# Altium PCB CX3_Camera.PcbDoc
Units mil, origin at the board's own origin, x right, y up, seen from the top; angles counter-clockwise.
Board outline 1475 x 2465 mil, 6 copper layers (Top Layer, L2 (3V3), L3 (GND), L4 (SIG), L5 (GND), Bottom Layer), stack 48.468 mil thick; 122 components, 109 nets, 515 pads, 153 vias.
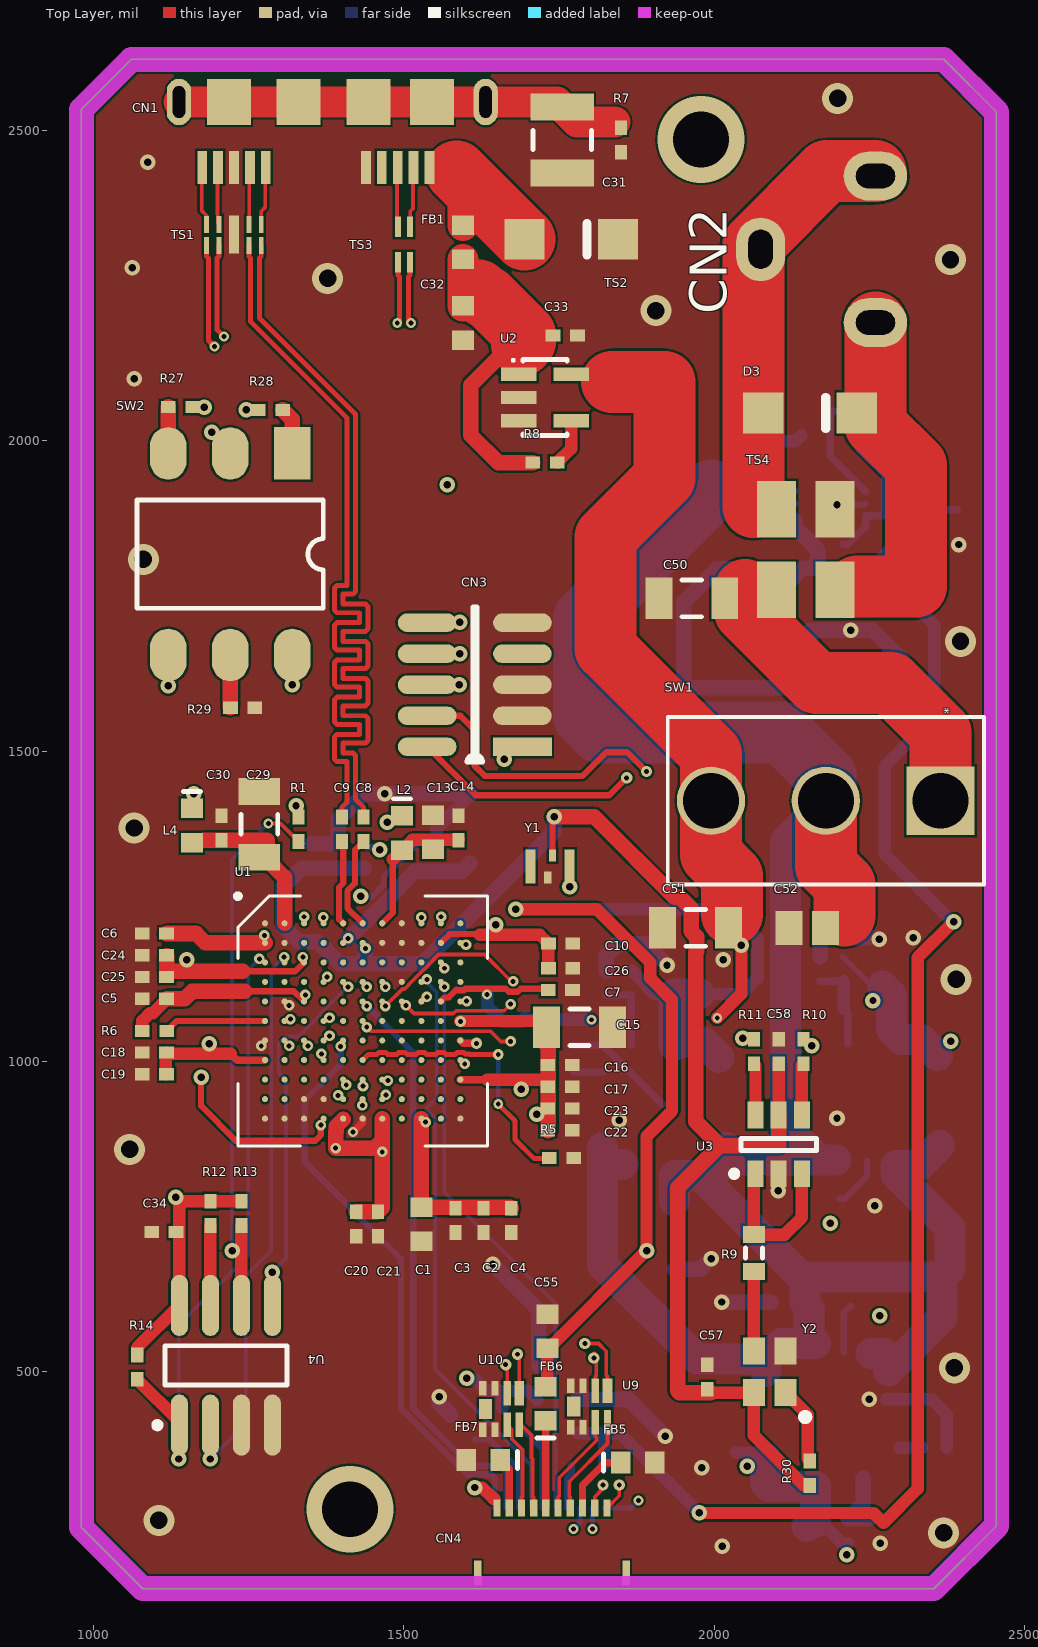
[diagram p0: Top Layer view]
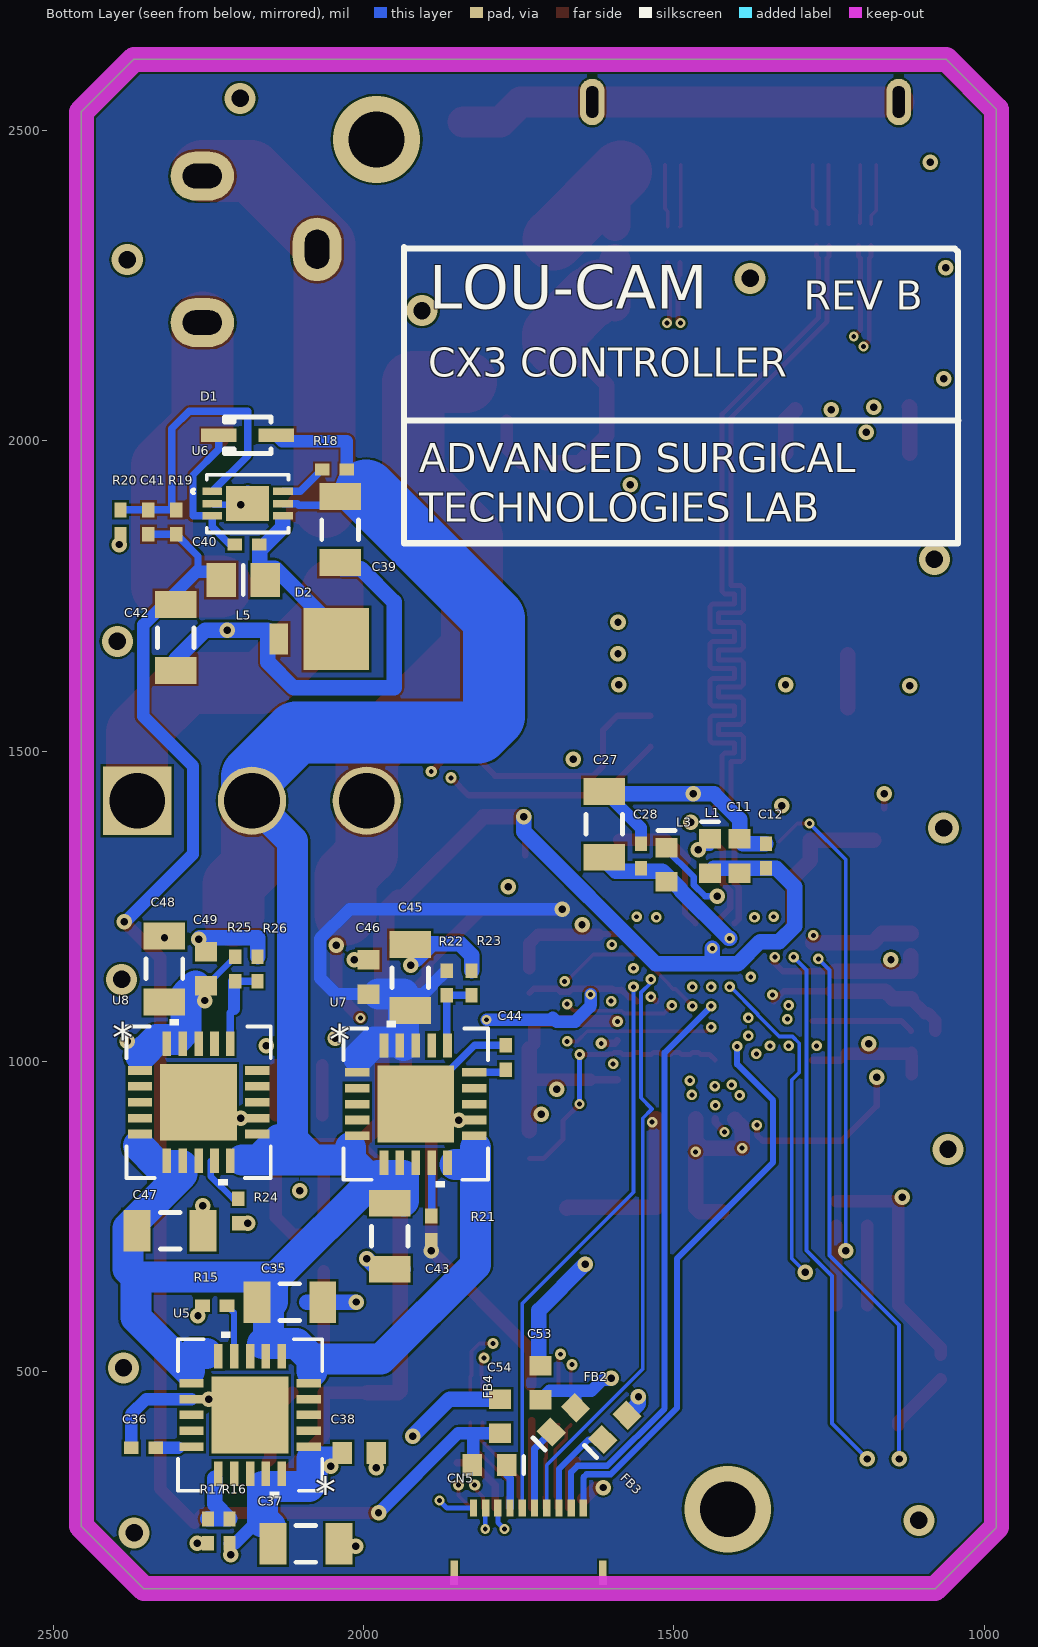
[diagram p1: Bottom Layer view, seen from below]
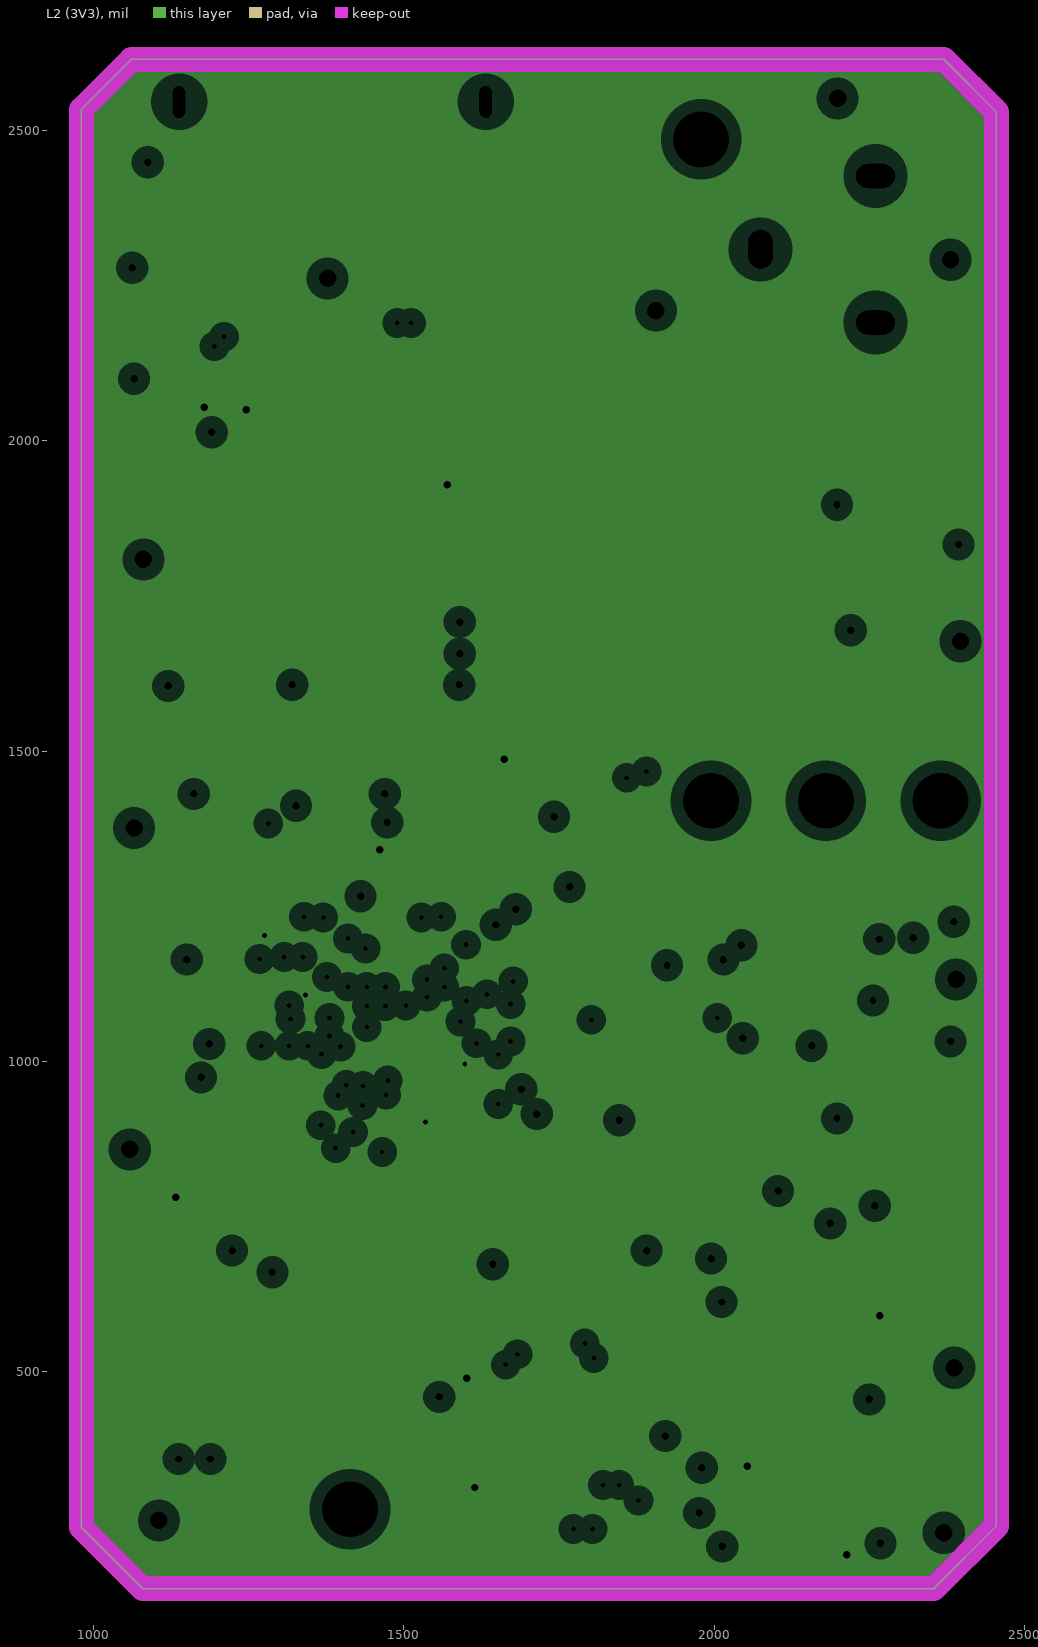
[diagram p2: L2 (3V3), clearances drawn from the general rule]
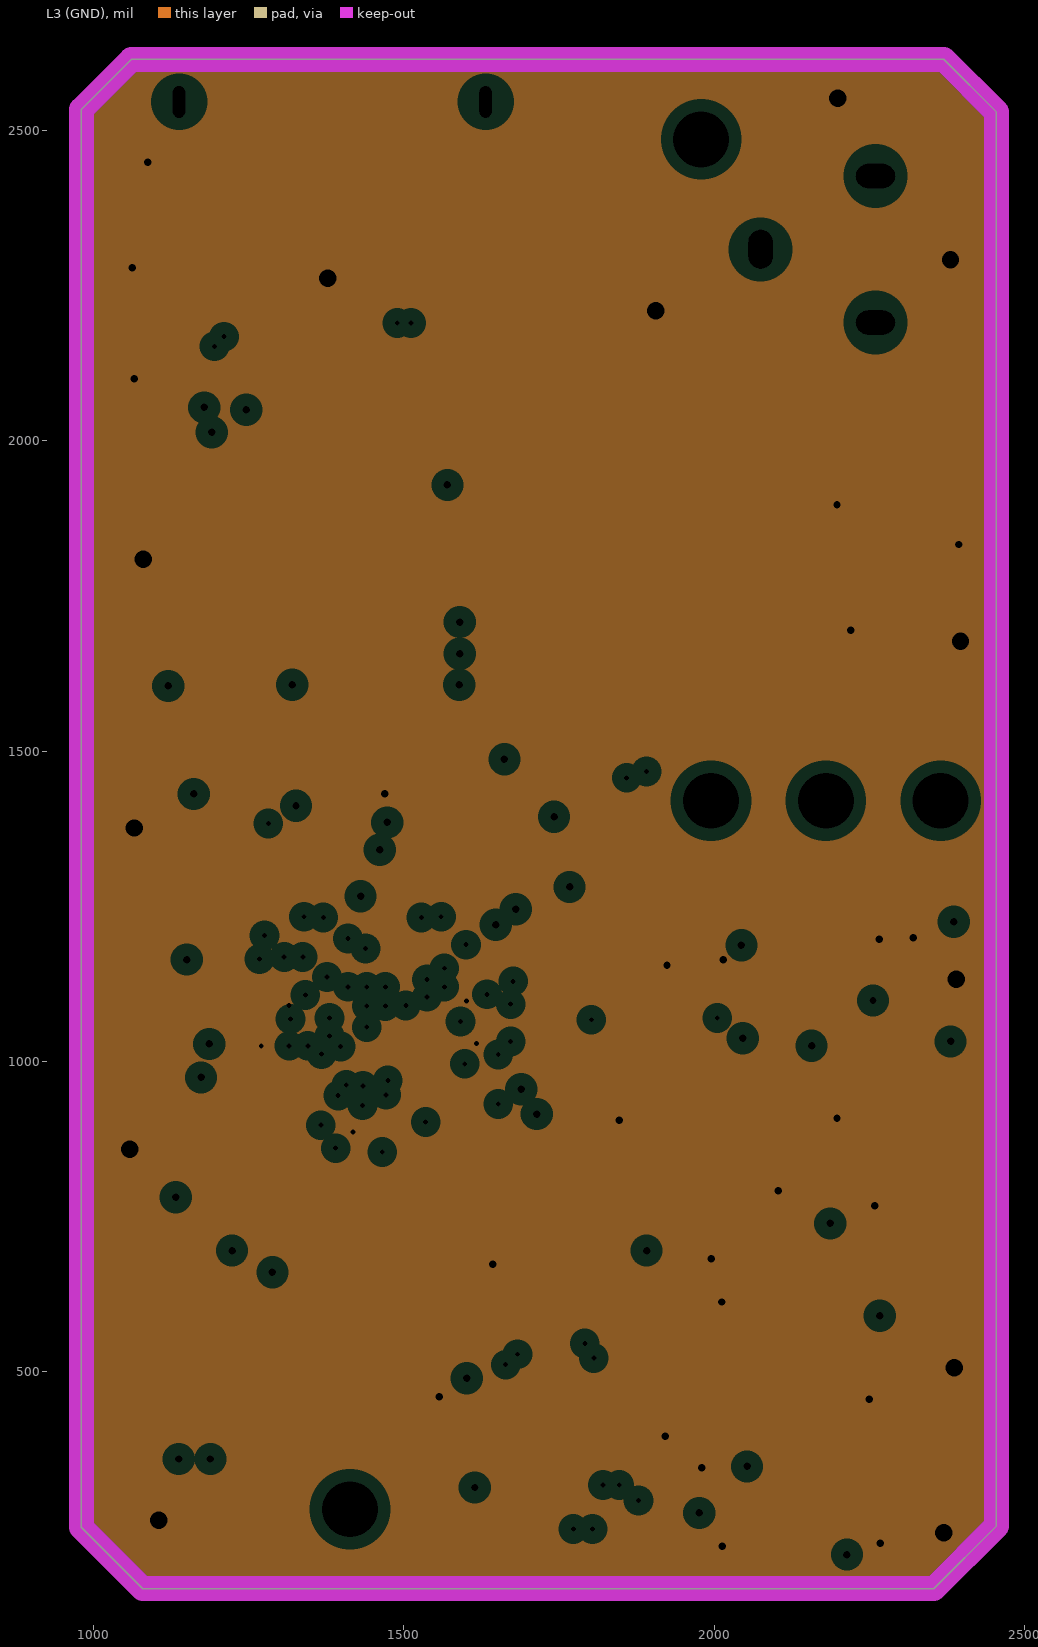
[diagram p3: L3 (GND), clearances drawn from the general rule]
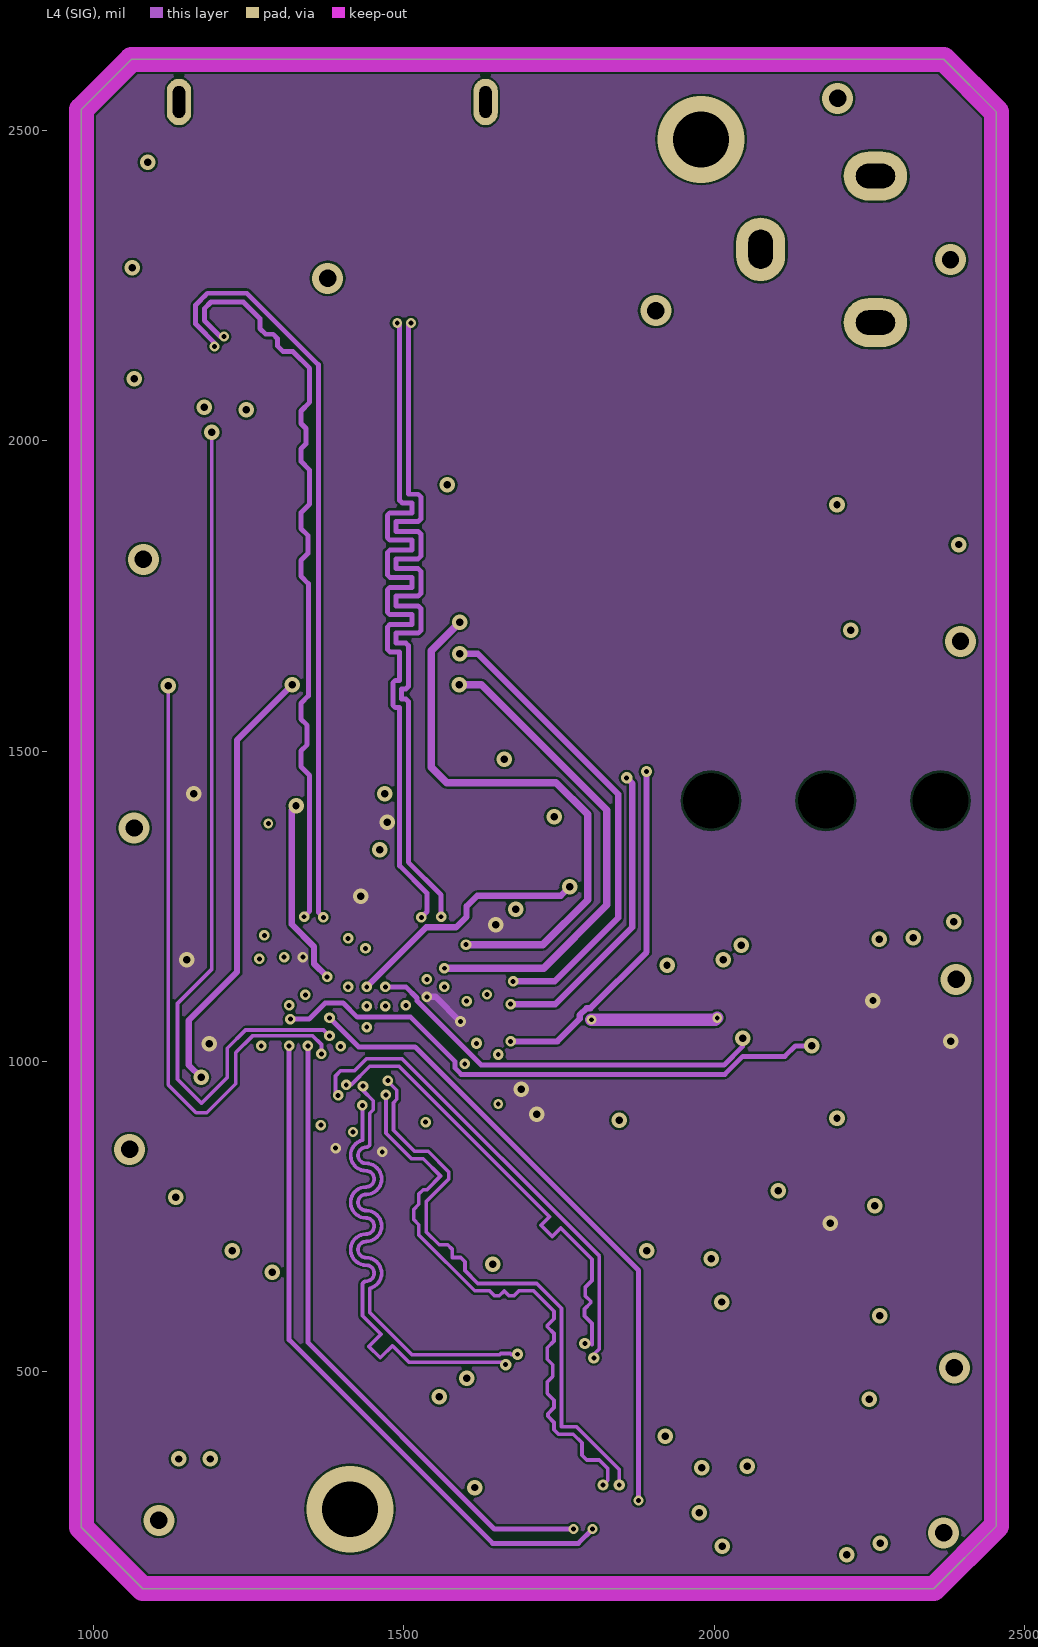
[diagram p4: L4 (SIG)]
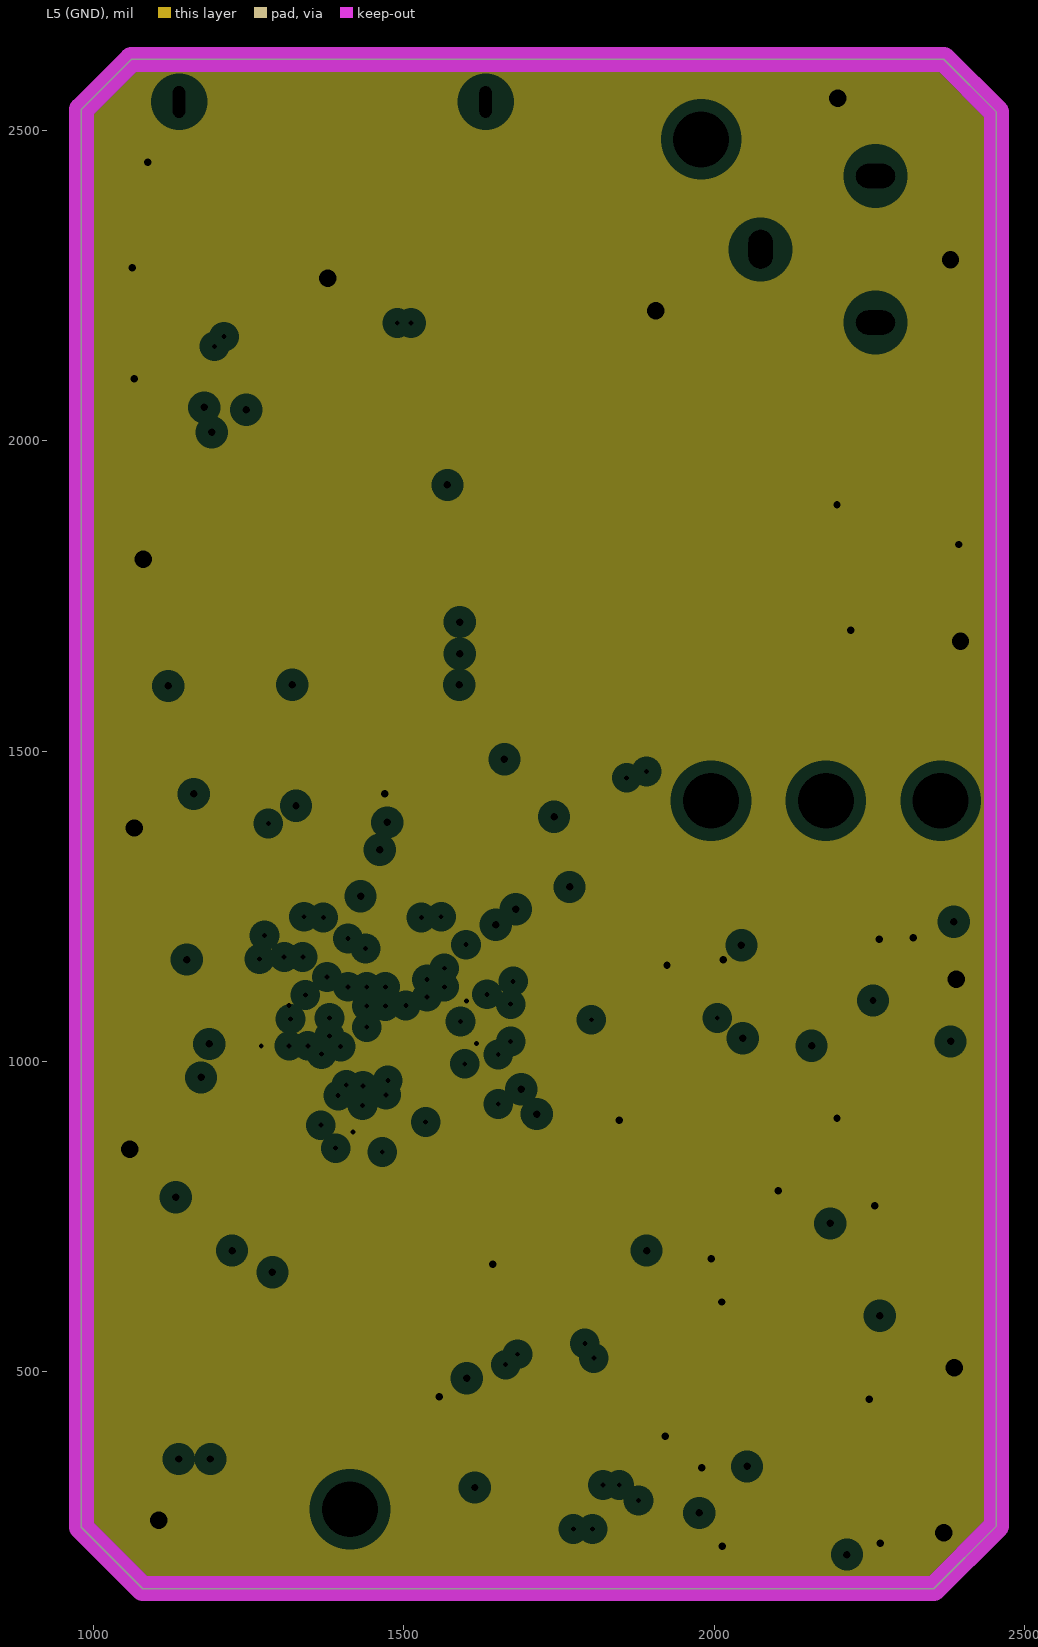
[diagram p5: L5 (GND), clearances drawn from the general rule]

## Layer stack, top to bottom
Top Solder: solder mask 0.4, Solder Resist, Dk 3.5
Top Layer: signal copper 1.4
Dielectric 1: core 10, FR-4, Dk 4.2
L2 (3V3): plane copper 1.417, net VCC_IO
Dielectric 5: prepreg 5, Dk 4.2
L3 (GND): plane copper 1.417, net GND
Dielectric 2: core 10, Dk 4.2
L4 (SIG): signal copper 1.417
Dielectric 3: core 10, Dk 4.2
L5 (GND): plane copper 1.417, net GND
Dielectric 6: prepreg 5, Dk 4.2
Bottom Layer: signal copper 1.4
Bottom Solder: solder mask 0.4, Solder Resist, Dk 3.5

## Board outline
980,249 980,2534 1061,2615 2370,2615 2455,2530 2455,251 2354,150 1079,150

## Design rules (kind name [scope] priority, off if disabled: settings)
Clearance [All] p1: gap=3.54
DiffPairsRouting [All] p1: maxlimit=10 minlimit=3.54 mostfreqgap=6 toplayer_minwidth=3.54 toplayer_maxwidth=15 toplayer_prefwidth=5 midlayer1_minwidth=3.54 midlayer1_maxwidth=15 midlayer1_prefwidth=5 bottomlayer_minwidth=3.54 bottomlayer_maxwidth=15 bottomlayer_prefwidth=5 maxuncoupledlength=500
MatchedLengths USB [InNetClass('USB')] p1: tolerance=10 checknetsindiffpair=FALSE checkdiffpairvsdiffpair=TRUE checkxsignals=TRUE checkothers=TRUE
MatchedLengths MIPI [InNetClass('MIPI')] p2: tolerance=10 checknetsindiffpair=TRUE checkdiffpairvsdiffpair=FALSE checkxsignals=FALSE checkothers=FALSE
PlaneClearance [All] p1: clearance=20
PlaneConnect [All] p1: planeconnectstyle=Relief reliefexpansion=20 reliefentries=4 reliefconductorwidth=10 reliefairgap=10
PolygonConnect [All] p1: connectstyle=Direct reliefconductorwidth=10 reliefentries=4 polygonreliefangle="90 Angle" airgapwidth=10
RoutingVias [All] p1: holewidth=8 width=16 viastyle="Through Hole" minholewidth=5.91 minwidth=12 maxholewidth=28 maxwidth=50
SolderMaskExpansion [All] p1: expansion=4
Width [All] p1: maxlimit=100 minlimit=3.54 preferedwidth=5
27 further rules are at their usual default settings.

## Classes and differential pairs
net class MCLKER: MIPI_CLK_N MIPI_CLK_P
net class MIPI2: MIPI_D0_N MIPI_D0_P MIPI_D1_N MIPI_D1_P
net class USB: USB2_DATA_N USB2_DATA_P USB_SSRX_N USB_SSRX_P USB_SSTX_N USB_SSTX_P
net class MIPI: MIPI_DAT0_N MIPI_DAT0_P MIPI_DAT1_N MIPI_DAT1_P
differential pair MIPI_D1: +MIPI_D1_P -MIPI_D1_N
differential pair MIPI_D0: +MIPI_D0_P -MIPI_D0_N
differential pair USB_SSTX: +USB_SSTX_P -USB_SSTX_N
differential pair USB_SSRX: +USB_SSRX_P -USB_SSRX_N
differential pair USB2_DATA: +USB2_DATA_P -USB2_DATA_N
differential pair MIPI_CLK: +MIPI_CLK_P -MIPI_CLK_N
differential pair MIPI_DAT0: +MIPI_DAT0_P -MIPI_DAT0_N
differential pair MIPI_DAT1: +MIPI_DAT1_P -MIPI_DAT1_N
differential pair MIPI_DAT2: +MIPI_DAT2_P -MIPI_DAT2_N
differential pair MIPI_DAT3: +MIPI_DAT3_P -MIPI_DAT3_N

## Components (designator, comment, footprint, x,y, rotation, side; value= is the part's Value field where it differs from the comment)
C1 "4.7uF 16V" 1608[0603] 1528,737.56 r270 top
C2 "0.1uF" 0402 1628,743.69 r270 top
C3 "0.1uF" 0402 1583,743.69 r270 top
C4 "10000pF" 0402 1673,743.69 r270 top
C5 "0.1uF" 0402 1097.68,1101 r180 top
C6 "0.1uF" 0402 1097.68,1206 r180 top
C7 "0.1uF" 0402 1752,1115 r180 top
C8 "0.1uF" 0402 1435,1374 r90 top
C9 "0.1uF" 0402 1400,1374 r90 top
C10 "10000pF" 0402 1752.56,1190 r0 top
C11 "4.7uF 16V" 1608[0603] 1394,1331 r270 bottom
C12 "0.1uF" 0402 1351.5,1331 r90 bottom
C13 "4.7uF 16V" 1608[0603] 1547,1369 r270 top
C14 "0.1uF" 0402 1588,1376 r90 top
C15 "22uF 16V" C1206 1783,1055 r180 top
C16 "0.1uF" 0402 1751.56,994 r180 top
C17 "10000pF" 0402 1751.56,959 r180 top
C18 "0.1uF" 0402 1097.68,1014 r0 top
C19 "10000pF" 0402 1097.68,979 r0 top
C20 "0.1uF" 0402 1423,737.56 r90 top
C21 "10000pF" 0402 1458,737.56 r90 top
C22 "0.1uF" 0402 1751.56,889 r180 top
C23 "10000pF" 0402 1751.56,924 r180 top
C24 "0.1uF" 0402 1097.68,1171 r0 top
C25 "10000pF" 0402 1097.68,1136 r0 top
C26 "0.1uF" 0402 1752.56,1150 r180 top
C27 "22uF 16V" C1206 1612,1382 r270 bottom
C28 "0.1uF" 0402 1553,1331 r90 bottom
C29 "22uF 16V" C1206 1267,1382 r270 top
C30 "0.1uF" 0402 1206,1376 r90 top
C31 "0.047uF" C1210 1755,2485 r270 top
C32 "4.7uF 16V" 1608[0603] 1595,2190 r90 top
C33 "0.1uF" 0402 1760,2170 r180 top
C34 "0.1uF" 0402 1113,725 r180 top
C35 "22uF 16V" C1206 2119,612 r0 bottom
C36 "0.1uF" 0402 2355,377 r180 bottom
C37 "22uF 16V" C1206 2093,222 r0 bottom
C38 "4.7uF 16V" 1608[0603] 2007,369 r0 bottom
C39 "22uF 16V" C1206 2038,1857 r270 bottom
C40 "0.1uF" 0402 2188,1833 r180 bottom
C41 "120pF" 0402 2347,1869 r90 bottom
C42 "22uF 16V" C1206 2303,1683 r90 bottom
C43 "22uF 16V" C1206 1958,718 r90 bottom
C44 "0.1uF" 0402 1771,1006 r270 bottom
C45 "22uF 16V" C1206 1925,1135 r270 bottom
C46 "4.7uF 16V" 1608[0603] 1992,1136 r270 bottom
C47 "22uF 16V" C1206 2312,727 r0 bottom
C48 "22uF 16V" C1206 2321,1149 r270 bottom
C49 "4.7uF 16V" 1608[0603] 2254,1149 r270 bottom
C50 "22uF 16V" C1206 1964,1746 r0 top
C51 "22uF 16V" C1206 1970,1215 r0 top
C52 "4.7uF 16V" C0805 2150,1215 r0 top
C53 "4.7uF 16V" 1608[0603] 1715,482 r90 bottom
C54 "4.7uF 16V" 1608[0603] 1780,428 r270 bottom
C55 "4.7uF 16V" 1608[0603] 1731,565 r90 top
C57 "0.1uF" 0402 1989,491 r270 top
C58 "0.1uF" 0402 2104,1016 r90 top
CN1 "GSB343K33HR" USB3MICROB 1541,2441 r180 top
CN2 "PJ-102B" PJ-102B 2260,2190.63 r0 top
CN3 "FTSH-105-01-F-DV-K" FTSH-105-01-F-DV-K 1691,1507 r180 top
CN4 "5034801000" 5034801000 1650,280 r0 top
CN5 "5034801000" 5034801000 1823,280 r180 bottom
D1 "BAT54HT1G" SOD-323 2187,2009 r0 bottom
D2 "MBRM140T3G" DO-216AA 2044,1681 r0 bottom
D3 "BAT54HT1G" DO-214AC 2230,2045 r180 top
FB1 "BLM03AX100SN1D" 1608[0603] 1595,2320 r270 top
FB2 "BLM03AX100SN1D" INDC1608L 1595,410 r135 bottom
FB3 "BLM03AX100SN1D" INDC1608L 1678,422 r135 bottom
FB4 "BLM03AX100SN1D" INDC1608L 1797,349 r0 bottom
FB5 "BLM03AX100SN1D" INDC1608L 1877,353 r0 top
FB6 "BLM03AX100SN1D" INDC1608L 1728,448 r90 top
FB7 "BLM03AX100SN1D" INDC1608L 1628,357 r180 top
L1 "100nH, 300mA" INDC1608L 1441.5,1331 r270 bottom
L2 "100nH, 300mA" INDC1608L 1497,1368 r270 top
L3 "100nH, 300mA" INDC1608L 1512,1317 r270 bottom
L4 "100nH, 300mA" INDC1608L 1158,1380 r270 top
L5 "2.2uH, 1.72A" 6-0805_N 2194,1776 r0 bottom
R1 "22E" 0402 1330,1374 r90 top
R5 "10K" 0402 1754,844 r180 top
R6 "10K" 0402 1098,1049 r0 top
R7 "1M" 0402 1850,2485 r270 top
R8 "10K" 0402 1727.32,1965 r180 top
R9 "22E" J1-0603 2064,691 r90 top
R10 "22E" 0402 2144,1016 r270 top
R11 "22E" 0402 2064,1016 r270 top
R12 "4.7K" 0402 1188,755 r90 top
R13 "100K 1%" 0402 1238,755 r90 top
R14 "4.7K" 0402 1070,507 r90 top
R15 "10K" 0402 2240,606 r180 bottom
R16 "3.57K 1%" 0402 2216,242.69 r90 bottom
R17 "1.15K 1%" 0402 2251,242.69 r270 bottom
R18 "10K" 0402 2047,1954 r0 bottom
R19 "26.1K 1%" 0402 2302,1869 r90 bottom
R20 "20K 1%" 0402 2392,1869 r90 bottom
R21 "10K" 0402 1891,731 r90 bottom
R22 "3.57K 1%" 0402 1866,1126 r270 bottom
R23 "1.43K 1%" 0402 1826,1126 r90 bottom
R24 "10K" 0402 2202,758.68 r90 bottom
R25 "2.49K 1%" 0402 2207,1149 r270 bottom
R26 "4.99K 1%" 0402 2171,1149 r90 bottom
R27 "10K" 0402 1140,2054.8 r180 top
R28 "10K" 0402 1285,2049.8 r0 top
R29 "10K" 0402 1240,1569.8 r180 top
R30 "10K" 0402 2154,336 r270 top
SW1 "1101M2S3CQE2" 1101M2S3CQE2 1995,1420 r270 top
SW2 "SDA03H0SBR" SDA03H0SBR 1320,1979.8 r270 top
TS1 "RCLAMP0524J.TCT" RCLAMP0524J 1270,2315 r180 top
TS2 "SMAJ5.0A" DO-214AC 1845,2325 r180 top
TS3 "744230900" 744230900 1510,2345 r270 top
TS4 "DLW5BSN102SQ2L" SRF0504-102Y 2195,1760 r180 top
U1 "CYUSB3065" BGA121C80P11X11_1000X1000X170B30N 1433.5,1065 r0 top
U2 "NCP361SNT1G" SOT-23-5 1727.32,2070 r270 top
U3 "SN74LVC2G17DBVR" SOT-23_A_N 2104,866 r90 top
U4 "M25P40-VMN6PB" SO8_M 1213,510 r90 top
U5 "TPS74801RGWR" RGW20_3P15X3P15 2183,430 r0 bottom
U6 "LT3503EDCB#TRMPB" DFN-6_DCB 2187,1899 r180 bottom
U7 "TPS74801RGWR" RGW20_3P15X3P15 1916,931 r180 bottom
U8 "TPS74801RGWR" RGW20_3P15X3P15 2266,934 r180 bottom
U9 "SZEMI2121MTTAG" SZEMI2121MTTAG 1828,418 r180 top
U10 "SZEMI2121MTTAG" SZEMI2121MTTAG 1686,414 r180 top
Y1 "SIT1533AI-H4-DCC-32.768E" SIT1533 1704,1314 r0 top
Y2 "SG-210STF 19.2000ML" SG5032 2064,466 r90 top

## Footprints (in the part's own frame and the unit in brackets; to place one, negate y for a bottom-side part, rotate by r counter-clockwise, add the part's x,y. Pads: shape width x height; smd on the part's side, far side on the other; paste and mask are expansions set on the pad)
6-0805_N [mm] "Chip Resistor, Body 2.0x1.2mm, IPC Medium Density"
  rect 1.2x1.4 smd: 1(-0.9,0) 2(0.9,0)
  silkscreen extent 0,-0.6 0,0.6, body extent -1.07,-0.7 1.07,0.7, height 0.7
0402 [mm] "Chip Capacitor, Body 1.0x0.5mm, IPC High Density"
  rect 0.6x0.5 smd: 1(-0.5,0) 2(0.5,0)
  body extent -0.55,-0.3 0.55,0.3, height 1.3
1101M2S3CQE2 [mil]
  rect 110x110 / inner round 60 / far side rect 110x110 hole 90: 1(0,370)
  round 110 / inner round 60 / far side round 110 hole 90: 2(0,185) 3(0,0)
  silkscreen extent -135,-70 135,440, body extent -138,-65 134,435, height 522
1608[0603] [mm] "Chip Capacitor, Body 1.6x0.8mm, IPC High Density"
  rect 0.8x0.9 smd: 1(-0.7,0) 2(0.7,0)
  body extent -0.87,-0.48 0.87,0.48, height 1.3
744230900 [mm] "Common Mode Choke"
  rect 0.85x0.25 smd: 1(0,0) 2(1.45,0) 3(0,-0.5) 4(1.45,-0.5)
5034801000 [mm]
  rect 0.3x0.7 smd: 1(0,0) 2(0.5,0) 3(1,0) 4(1.5,0) 5(2,0) 6(2.5,0) 7(3,0) 8(3.5,0) 9(4,0) 10(4.5,0)
  rect 0.3x1 smd: 11(-0.79,-2.65) 20(5.29,-2.65)
  body extent -1.15,-3.3 5.55,0.3, height 1.88
BGA121C80P11X11_1000X1000X170B30N [mm] "Ball Grid Array (BGA), 0.80 mm pitch,square;121 pin,10.00 mm L X 10.00 mm W X 1.70 mm H body"
  round 0.25 smd: A1(-4,4) A2(-3.2,4) A3(-2.4,4) A4(-1.6,4) A5(-0.8,4) A6(0,4) A7(0.8,4) A8(1.6,4) A9(2.4,4) A10(3.2,4) A11(4,4) B1(-4,3.2) B2(-3.2,3.2) B3(-2.4,3.2) B4(-1.6,3.2) B5(-0.8,3.2) B6(0,3.2) B7(0.8,3.2) B8(1.6,3.2) B9(2.4,3.2) B10(3.2,3.2) B11(4,3.2) C1(-4,2.4) C2(-3.2,2.4) C3(-2.4,2.4) C4(-1.6,2.4) C5(-0.8,2.4) C6(0,2.4) C7(0.8,2.4) C8(1.6,2.4) C9(2.4,2.4) C10(3.2,2.4) C11(4,2.4) D1(-4,1.6) D2(-3.2,1.6) D3(-2.4,1.6) D4(-1.6,1.6) D5(-0.8,1.6) D6(0,1.6) D7(0.8,1.6) D8(1.6,1.6) D9(2.4,1.6) D10(3.2,1.6) D11(4,1.6) E1(-4,0.8) E2(-3.2,0.8) E3(-2.4,0.8) E4(-1.6,0.8) E5(-0.8,0.8) E6(0,0.8) E7(0.8,0.8) E8(1.6,0.8) E9(2.4,0.8) E10(3.2,0.8) E11(4,0.8) F1(-4,0) F2(-3.2,0) F3(-2.4,0) F4(-1.6,0) F5(-0.8,0) F6(0,0) F7(0.8,0) F8(1.6,0) F9(2.4,0) F10(3.2,0) F11(4,0) G1(-4,-0.8) G2(-3.2,-0.8) G3(-2.4,-0.8) G4(-1.6,-0.8) G5(-0.8,-0.8) G6(0,-0.8) G7(0.8,-0.8) G8(1.6,-0.8) G9(2.4,-0.8) G10(3.2,-0.8) G11(4,-0.8) H1(-4,-1.6) H2(-3.2,-1.6) H3(-2.4,-1.6) H4(-1.6,-1.6) H5(-0.8,-1.6) H6(0,-1.6) H7(0.8,-1.6) H8(1.6,-1.6) H9(2.4,-1.6) H10(3.2,-1.6) H11(4,-1.6) J1(-4,-2.4) J2(-3.2,-2.4) J3(-2.4,-2.4) J4(-1.6,-2.4) J5(-0.8,-2.4) J6(0,-2.4) J7(0.8,-2.4) J8(1.6,-2.4) J9(2.4,-2.4) J10(3.2,-2.4) J11(4,-2.4) K1(-4,-3.2) K2(-3.2,-3.2) K3(-2.4,-3.2) K4(-1.6,-3.2) K5(-0.8,-3.2) K6(0,-3.2) K7(0.8,-3.2) K8(1.6,-3.2) K9(2.4,-3.2) K10(3.2,-3.2) K11(4,-3.2) L1(-4,-4) L2(-3.2,-4) L3(-2.4,-4) L4(-1.6,-4) L5(-0.8,-4) L6(0,-4) L7(0.8,-4) L8(1.6,-4) L9(2.4,-4) L10(3.2,-4) L11(4,-4)
  silkscreen extent -5.21,-5.11 5.11,5.21, body extent -5,-5 5,5, height 1.7
C0805 [mm] "Chip Capacitor, Body 2.0x1.3mm, IPC High Density"
  rect 1.1x1.4 smd: 1(-0.75,0) 2(0.75,0)
  body extent -1.1,-0.72 1.1,0.72, height 1.4
C1206 [mm] "Chip Capacitor, Body 3.2x1.6mm, IPC High Density"
  rect 1.1x1.7 smd: 1(-1.35,0) 2(1.35,0)
  silkscreen extent -0.4,-0.75 0.4,0.75, body extent -1.7,-0.9 1.7,0.9, height 1.3
C1210 [mm] "Chip Capacitor, Body 3.2x2.5mm, IPC High Density"
  rect 1.1x2.6 smd: 1(-1.35,0) 2(1.35,0)
  silkscreen extent -0.4,-1.2 0.4,1.2, body extent -1.7,-1.35 1.7,1.35, height 1.3
DFN-6_DCB [mil]
  rect 32x12 smd: 1(-57,19.68) 2(-57,0) 3(-57,-19.68) 4(57,-19.68) 5(57,0) 6(57,19.68)